# KiCad board enclosurefinal01.kicad_pcb (continued)
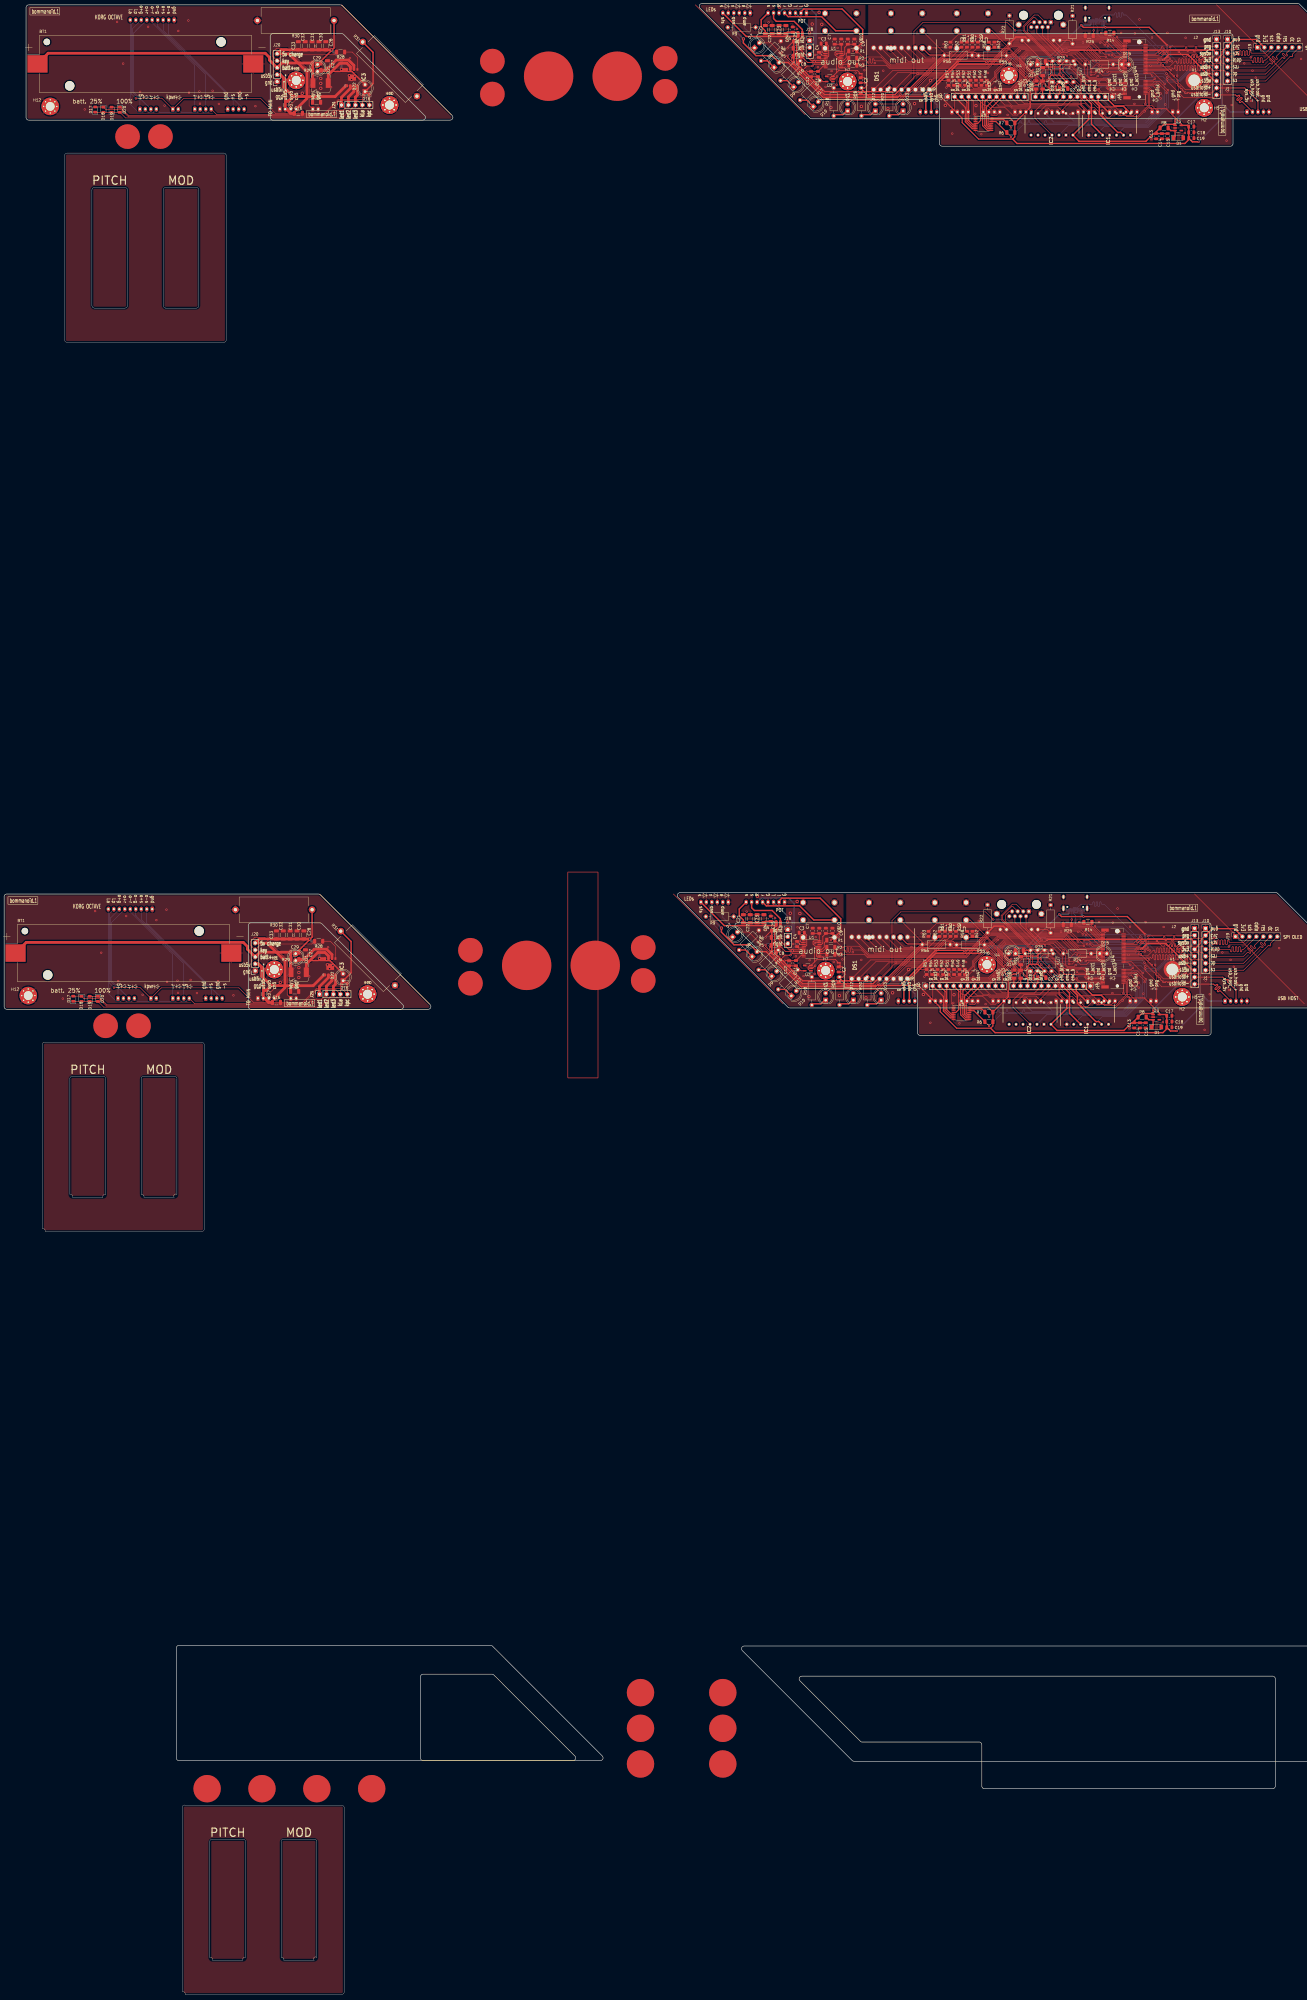
[diagram p0: board, top side]
## Routing (per net, layer and track width the routed paths; a pad name or vN(x,y) marks a point on that pad's centre or on a via; arc(x,y) is an arc through that point) (continued)
/bommanoid_main_top/oled_dc: length 124
  Top w0.2: 446,699.88 444.78,701.1 440.29,701.1 arc(440.08,701.19) 439.99,701.4 439.99,701.79 arc(439.9,702.01) 439.69,702.09 arc(439.48,702.01) 439.39,701.79 439.39,700.51 arc(439.3,700.29) 439.09,700.21 arc(438.88,700.29) 438.79,700.51 438.79,700.8 arc(438.7,701.01) 438.49,701.1 437.59,702 436.5,702 arc(436.29,701.91) 436.2,701.7 436.2,701.3 arc(436.11,701.09) 435.9,701 arc(435.69,701.09) 435.6,701.3 435.6,702.7 arc(435.51,702.91) 435.3,703 arc(435.09,702.91) 435,702.7 435,701.3 arc(434.91,701.09) 434.7,701 arc(434.49,701.09) 434.4,701.3 434.4,702.7 arc(434.31,702.91) 434.1,703 arc(433.89,702.91) 433.8,702.7 433.8,701.3 arc(433.71,701.09) 433.5,701 arc(433.29,701.09) 433.2,701.3 433.2,702.7 arc(433.11,702.91) 432.9,703 arc(432.69,702.91) 432.6,702.7 432.6,701.3 arc(432.51,701.09) 432.3,701 arc(432.09,701.09) 432,701.3 432,702.7 arc(431.91,702.91) 431.7,703 arc(431.49,702.91) 431.4,702.7 431.4,701.3 arc(431.31,701.09) 431.1,701 arc(430.89,701.09) 430.8,701.3 430.8,702.7 arc(430.71,702.91) 430.5,703 arc(430.29,702.91) 430.2,702.7 430.2,701.3 arc(430.11,701.09) 429.9,701 arc(429.69,701.09) 429.6,701.3 429.6,702.7 arc(429.51,702.91) 429.3,703 arc(429.09,702.91) 429,702.7 429,701.3 arc(428.91,701.09) 428.7,701 arc(428.49,701.09) 428.4,701.3 428.4,702.7 arc(428.31,702.91) 428.1,703 arc(427.89,702.91) 427.8,702.7 427.8,701.3 arc(427.71,701.09) 427.5,701 arc(427.29,701.09) 427.2,701.3 427.2,702.7 arc(427.11,702.91) 426.9,703 arc(426.69,702.91) 426.6,702.7 426.6,702 426.6,701.8 arc(426.54,701.66) 426.4,701.6 426.2,701.6 arc(426.06,701.66) 426,701.8 arc(425.94,701.94) 425.8,702 U4#2.40 ; 438,375.88 436.78,377.1 432.29,377.1 arc(432.08,377.19) 431.99,377.4 431.99,377.79 arc(431.9,378.01) 431.69,378.09 arc(431.48,378.01) 431.39,377.79 431.39,376.51 arc(431.3,376.29) 431.09,376.21 arc(430.88,376.29) 430.79,376.51 430.79,376.8 arc(430.7,377.01) 430.49,377.1 429.59,378 428.5,378 arc(428.29,377.91) 428.2,377.7 428.2,377.3 arc(428.11,377.09) 427.9,377 arc(427.69,377.09) 427.6,377.3 427.6,378.7 arc(427.51,378.91) 427.3,379 arc(427.09,378.91) 427,378.7 427,377.3 arc(426.91,377.09) 426.7,377 arc(426.49,377.09) 426.4,377.3 426.4,378.7 arc(426.31,378.91) 426.1,379 arc(425.89,378.91) 425.8,378.7 425.8,377.3 arc(425.71,377.09) 425.5,377 arc(425.29,377.09) 425.2,377.3 425.2,378.7 arc(425.11,378.91) 424.9,379 arc(424.69,378.91) 424.6,378.7 424.6,377.3 arc(424.51,377.09) 424.3,377 arc(424.09,377.09) 424,377.3 424,378.7 arc(423.91,378.91) 423.7,379 arc(423.49,378.91) 423.4,378.7 423.4,377.3 arc(423.31,377.09) 423.1,377 arc(422.89,377.09) 422.8,377.3 422.8,378.7 arc(422.71,378.91) 422.5,379 arc(422.29,378.91) 422.2,378.7 422.2,377.3 arc(422.11,377.09) 421.9,377 arc(421.69,377.09) 421.6,377.3 421.6,378.7 arc(421.51,378.91) 421.3,379 arc(421.09,378.91) 421,378.7 421,377.3 arc(420.91,377.09) 420.7,377 arc(420.49,377.09) 420.4,377.3 420.4,378.7 arc(420.31,378.91) 420.1,379 arc(419.89,378.91) 419.8,378.7 419.8,377.3 arc(419.71,377.09) 419.5,377 arc(419.29,377.09) 419.2,377.3 419.2,378.7 arc(419.11,378.91) 418.9,379 arc(418.69,378.91) 418.6,378.7 418.6,378 418.6,377.8 arc(418.54,377.66) 418.4,377.6 418.2,377.6 arc(418.06,377.66) 418,377.8 arc(417.94,377.94) 417.8,378 U4.40
/bommanoid_main_top/oled_rst: length 121
  Top w0.2: U4.42 414.56,378.5 414.56,378.5 416.9,378.5 418.9,380.5 419.2,380.5 arc(419.41,380.41) 419.5,380.2 419.5,379.9 arc(419.59,379.69) 419.8,379.6 arc(420.01,379.69) 420.1,379.9 420.1,381.1 arc(420.19,381.31) 420.4,381.4 arc(420.61,381.31) 420.7,381.1 420.7,379.9 arc(420.79,379.69) 421,379.6 arc(421.21,379.69) 421.3,379.9 421.3,381.1 arc(421.39,381.31) 421.6,381.4 arc(421.81,381.31) 421.9,381.1 421.9,379.9 arc(421.99,379.69) 422.2,379.6 arc(422.41,379.69) 422.5,379.9 422.5,381.1 arc(422.59,381.31) 422.8,381.4 arc(423.01,381.31) 423.1,381.1 423.1,379.9 arc(423.19,379.69) 423.4,379.6 arc(423.61,379.69) 423.7,379.9 423.7,381.1 arc(423.79,381.31) 424,381.4 arc(424.21,381.31) 424.3,381.1 424.3,379.9 arc(424.39,379.69) 424.6,379.6 arc(424.81,379.69) 424.9,379.9 424.9,381.1 arc(424.99,381.31) 425.2,381.4 arc(425.41,381.31) 425.5,381.1 425.5,379.9 arc(425.59,379.69) 425.8,379.6 arc(426.01,379.69) 426.1,379.9 426.1,381.1 arc(426.19,381.31) 426.4,381.4 arc(426.61,381.31) 426.7,381.1 426.7,379.9 arc(426.79,379.69) 427,379.6 arc(427.21,379.69) 427.3,379.9 427.3,381.1 arc(427.39,381.31) 427.6,381.4 arc(427.81,381.31) 427.9,381.1 427.9,379.9 arc(427.99,379.69) 428.2,379.6 arc(428.41,379.69) 428.5,379.9 428.5,381.1 arc(428.59,381.31) 428.8,381.4 arc(429.01,381.31) 429.1,381.1 429.1,379.9 arc(429.19,379.69) 429.4,379.6 arc(429.61,379.69) 429.7,379.9 429.7,381.1 arc(429.79,381.31) 430,381.4 arc(430.21,381.31) 430.3,381.1 430.3,380.8 arc(430.39,380.59) 430.6,380.5 431.8,380.5 432.57,379.73 434.97,379.73 arc(435.18,379.82) 435.27,380.03 435.27,380.43 arc(435.36,380.64) 435.57,380.73 arc(435.78,380.64) 435.87,380.43 435.87,380.03 arc(435.96,379.82) 436.17,379.73 436.69,379.73 438,378.42 ; U4#2.42 422.56,702.5 422.56,702.5 424.9,702.5 426.9,704.5 427.2,704.5 arc(427.41,704.41) 427.5,704.2 427.5,703.9 arc(427.59,703.69) 427.8,703.6 arc(428.01,703.69) 428.1,703.9 428.1,705.1 arc(428.19,705.31) 428.4,705.4 arc(428.61,705.31) 428.7,705.1 428.7,703.9 arc(428.79,703.69) 429,703.6 arc(429.21,703.69) 429.3,703.9 429.3,705.1 arc(429.39,705.31) 429.6,705.4 arc(429.81,705.31) 429.9,705.1 429.9,703.9 arc(429.99,703.69) 430.2,703.6 arc(430.41,703.69) 430.5,703.9 430.5,705.1 arc(430.59,705.31) 430.8,705.4 arc(431.01,705.31) 431.1,705.1 431.1,703.9 arc(431.19,703.69) 431.4,703.6 arc(431.61,703.69) 431.7,703.9 431.7,705.1 arc(431.79,705.31) 432,705.4 arc(432.21,705.31) 432.3,705.1 432.3,703.9 arc(432.39,703.69) 432.6,703.6 arc(432.81,703.69) 432.9,703.9 432.9,705.1 arc(432.99,705.31) 433.2,705.4 arc(433.41,705.31) 433.5,705.1 433.5,703.9 arc(433.59,703.69) 433.8,703.6 arc(434.01,703.69) 434.1,703.9 434.1,705.1 arc(434.19,705.31) 434.4,705.4 arc(434.61,705.31) 434.7,705.1 434.7,703.9 arc(434.79,703.69) 435,703.6 arc(435.21,703.69) 435.3,703.9 435.3,705.1 arc(435.39,705.31) 435.6,705.4 arc(435.81,705.31) 435.9,705.1 435.9,703.9 arc(435.99,703.69) 436.2,703.6 arc(436.41,703.69) 436.5,703.9 436.5,705.1 arc(436.59,705.31) 436.8,705.4 arc(437.01,705.31) 437.1,705.1 437.1,703.9 arc(437.19,703.69) 437.4,703.6 arc(437.61,703.69) 437.7,703.9 437.7,705.1 arc(437.79,705.31) 438,705.4 arc(438.21,705.31) 438.3,705.1 438.3,704.8 arc(438.39,704.59) 438.6,704.5 439.8,704.5 440.57,703.73 442.97,703.73 arc(443.18,703.82) 443.27,704.03 443.27,704.43 arc(443.36,704.64) 443.57,704.73 arc(443.78,704.64) 443.87,704.43 443.87,704.03 arc(443.96,703.82) 444.17,703.73 444.69,703.73 446,702.42
/bommanoid_main_top/oled_sck: length 117.8
  Top w0.2: v1(416.04,383.9) 416.94,384.8 422.3,384.8 arc(422.51,384.89) 422.6,385.1 422.6,385.36 arc(422.69,385.57) 422.9,385.66 arc(423.11,385.57) 423.2,385.36 423.2,384.24 arc(423.29,384.03) 423.5,383.94 arc(423.71,384.03) 423.8,384.24 423.8,384.5 arc(423.89,384.71) 424.1,384.8 425.3,384.8 arc(425.51,384.71) 425.6,384.5 425.6,384.16 arc(425.69,383.94) 425.9,383.86 arc(426.11,383.94) 426.2,384.16 426.2,385.44 arc(426.29,385.66) 426.5,385.74 arc(426.71,385.66) 426.8,385.44 426.8,385.1 arc(426.89,384.89) 427.1,384.8 436.7,384.8 438,383.5 ; 446,707.5 444.7,708.8 435.1,708.8 arc(434.89,708.89) 434.8,709.1 434.8,709.44 arc(434.71,709.66) 434.5,709.74 arc(434.29,709.66) 434.2,709.44 434.2,708.16 arc(434.11,707.94) 433.9,707.86 arc(433.69,707.94) 433.6,708.16 433.6,708.5 arc(433.51,708.71) 433.3,708.8 432.1,708.8 arc(431.89,708.71) 431.8,708.5 431.8,708.24 arc(431.71,708.03) 431.5,707.94 arc(431.29,708.03) 431.2,708.24 431.2,709.36 arc(431.11,709.57) 430.9,709.66 arc(430.69,709.57) 430.6,709.36 430.6,709.1 arc(430.51,708.89) 430.3,708.8 424.94,708.8 v1(424.04,707.9) ; U4#2.57 405.29,706.25 403.44,708.1 v1(401.66,708.1) ; U4.57 397.29,382.25 395.44,384.1 v1(393.66,384.1)
  Bottom w0.2: v1(401.66,708.1) 401.96,707.8 422.59,707.8 422.85,708.06 423.87,708.06 v1(424.04,707.9) ; v1(416.04,383.9) 415.87,384.06 414.85,384.06 414.59,383.8 393.96,383.8 v1(393.66,384.1)
/bommanoid_main_top/prg: length 119.1
  Top w0.2: v1(399.06,696.7) 399.55,696.2 402.26,696.2 403.71,694.75 U4#2.11 ; v1(391.06,372.7) 391.55,372.2 394.26,372.2 395.71,370.75 U4.11
  Bottom w0.2: v1(399.06,696.7) 400.78,698.43 418.81,698.43 419.21,698.84 422.48,698.84 423.45,697.87 428.26,697.87 440.35,709.96 J2#2.2 ; J2.2 432.35,385.96 420.26,373.87 415.45,373.87 414.48,374.84 411.21,374.84 410.81,374.43 392.78,374.43 v1(391.06,372.7)
/bommanoid_main_top/sys_5v: length 270.1
  Top w0.2: 392.63,697.83 v1(388.26,702.2) ; 384.63,373.83 v1(380.26,378.2)
  Top w0.3: IC1#2.14 384.58,364.27 384.58,373.78 384.63,373.83 386.7,371.75 394.07,371.75 395.57,370.25 U4.9 ; U4#2.9 403.57,694.25 402.07,695.75 394.7,695.75 392.63,697.83 392.58,697.78 392.58,688.27 IC1.14
  Top w0.4: 379.7,704.52 U7#2.8 ; 371.7,380.52 U7.8
  Top w0.5: C15#2.1 C13.1 ; C13.1 411.05,354.1 408.25,351.3 383.85,351.3 IC2.14 387.38,359.29 IC1#2.14 ; C13.1 411.98,354.71 R8.2 414.74,357.48 418.5,357.48 U3.1 418.88,358.88 v1(418.86,358.9) ; C15.1 C13#2.1 ; C13#2.1 419.05,678.1 416.25,675.3 391.85,675.3 IC2#2.14 395.38,683.29 IC1.14 ; C13#2.1 419.98,678.71 R8#2.2 422.74,681.48 426.5,681.48 U3#2.1 426.88,682.88 v1(426.86,682.9)
  Bottom w0.2: v1(388.26,702.2) 384.52,702.2 U7#2.8 ; v1(380.26,378.2) 376.52,378.2 U7.8
  Bottom w0.5: v1(426.86,682.9) 438.46,694.5 438.46,703.88 J2#2.3 ; J2.3 430.46,379.88 430.46,370.5 v1(418.86,358.9)
/bommanoid_main_top/T00 MIDI IN: length 66.9
  Top w0.2: 379.68,380.52 386.4,373.8 393.77,373.8 394.57,373 394.59,373 394.84,372.75 U4.19 ; 387.68,704.52 394.4,697.8 401.77,697.8 402.57,697 402.59,697 402.84,696.75 U4#2.19
  Top w0.4: U7#2.6 386.68,704.52 384.52,702.36 378.8,702.36 ; U7.6 378.68,380.52 376.52,378.36 370.8,378.36
/bommanoid_main_top/T01=MIDI OUT: length 76.5
  Top w0.2: R13.2 368.1,374.45 370.95,377.3 377.26,377.3 378.86,378.9 380.66,378.9 386.16,373.4 393.6,373.4 394.4,372.6 394.42,372.6 394.77,372.25 U4.17 ; R13#2.2 376.1,698.45 378.95,701.3 385.26,701.3 386.86,702.9 388.66,702.9 394.16,697.4 401.6,697.4 402.4,696.6 402.42,696.6 402.77,696.25 U4#2.17
/bommanoid_main_top/usb_data_+: length 118.8
  Top w0.2: U4#2.3 399.61,692.75 v1(397.66,694.7) ; 441.54,702.8 v1(437.12,702.8) ; v1(389.66,370.7) 391.61,368.75 U4.3 ; 433.54,378.8 v1(429.12,378.8)
  Bottom w0.2: v1(437.12,702.8) 433.75,702.8 428.26,697.3 419.66,697.3 417.86,695.5 404.11,695.5 arc(403.97,695.56) 403.91,695.71 arc(403.84,695.85) 403.7,695.91 403.51,695.91 arc(403.37,695.85) 403.31,695.71 arc(403.24,695.56) 403.1,695.5 398.46,695.5 v1(397.66,694.7) ; v1(389.66,370.7) 390.46,371.5 395.1,371.5 arc(395.24,371.56) 395.31,371.71 arc(395.37,371.85) 395.51,371.91 395.7,371.91 arc(395.84,371.85) 395.91,371.71 arc(395.97,371.56) 396.11,371.5 409.86,371.5 411.66,373.3 420.26,373.3 425.75,378.8 v1(429.12,378.8)
/bommanoid_main_top/usb_data_-: length 119.8
  Top w0.2: J2#2.6 438.5,699.8 v1(437.1,701.2) ; J2.6 430.5,375.8 v1(429.1,377.2) ; U4#2.5 400.11,693.25 v1(399.06,694.3) ; U4.5 392.11,369.25 v1(391.06,370.3)
  Bottom w0.2: v1(429.1,377.2) 424.73,377.2 420.43,372.9 412.22,372.9 410.42,371.1 399.9,371.1 arc(399.69,371.01) 399.6,370.8 399.6,370.55 arc(399.51,370.33) 399.3,370.25 arc(399.09,370.33) 399,370.55 399,370.8 arc(398.91,371.01) 398.7,371.1 arc(398.49,371.01) 398.4,370.8 398.4,370.55 arc(398.31,370.33) 398.1,370.25 arc(397.89,370.33) 397.8,370.55 397.8,370.8 arc(397.71,371.01) 397.5,371.1 arc(397.29,371.01) 397.2,370.8 397.2,370.55 arc(397.11,370.33) 396.9,370.25 arc(396.69,370.33) 396.6,370.55 396.6,370.8 arc(396.51,371.01) 396.3,371.1 391.86,371.1 v1(391.06,370.3) ; v1(437.1,701.2) 432.73,701.2 428.43,696.9 420.22,696.9 418.42,695.1 407.9,695.1 arc(407.69,695.01) 407.6,694.8 407.6,694.55 arc(407.51,694.33) 407.3,694.25 arc(407.09,694.33) 407,694.55 407,694.8 arc(406.91,695.01) 406.7,695.1 arc(406.49,695.01) 406.4,694.8 406.4,694.55 arc(406.31,694.33) 406.1,694.25 arc(405.89,694.33) 405.8,694.55 405.8,694.8 arc(405.71,695.01) 405.5,695.1 arc(405.29,695.01) 405.2,694.8 405.2,694.55 arc(405.11,694.33) 404.9,694.25 arc(404.69,694.33) 404.6,694.55 404.6,694.8 arc(404.51,695.01) 404.3,695.1 399.86,695.1 v1(399.06,694.3)
/bommanoid_main_top/usb_host_+: length 109.8
  Top w0.2: v1(394.26,376.6) 394.41,376.75 U4.35 ; J2.8 432.18,368.9 428.3,368.9 arc(428.23,368.87) 428.2,368.8 arc(428.17,368.73) 428.1,368.7 427.7,368.7 arc(427.63,368.73) 427.6,368.8 427.6,369 arc(427.57,369.07) 427.5,369.1 427.1,369.1 arc(427.03,369.07) 427,369 427,368.8 arc(426.97,368.73) 426.9,368.7 426.5,368.7 arc(426.43,368.73) 426.4,368.8 426.4,369 arc(426.37,369.07) 426.3,369.1 425.9,369.1 arc(425.83,369.07) 425.8,369 425.8,368.8 arc(425.77,368.73) 425.7,368.7 425.3,368.7 arc(425.23,368.73) 425.2,368.8 425.2,369 arc(425.17,369.07) 425.1,369.1 424.7,369.1 arc(424.63,369.07) 424.6,369 424.6,368.8 arc(424.57,368.73) 424.5,368.7 424.1,368.7 arc(424.03,368.73) 424,368.8 424,369 arc(423.97,369.07) 423.9,369.1 423.5,369.1 arc(423.43,369.07) 423.4,369 423.4,368.8 arc(423.37,368.73) 423.3,368.7 422.9,368.7 arc(422.83,368.73) 422.8,368.8 arc(422.77,368.87) 422.7,368.9 421.99,369.61 arc(421.92,369.64) 421.84,369.61 arc(421.77,369.58) 421.7,369.61 421.42,369.9 arc(421.39,369.97) 421.42,370.04 421.56,370.18 arc(421.59,370.25) 421.56,370.32 421.28,370.6 arc(421.21,370.63) 421.14,370.6 421,370.46 arc(420.93,370.43) 420.85,370.46 420.57,370.74 arc(420.54,370.81) 420.57,370.89 420.71,371.03 arc(420.74,371.1) 420.71,371.17 420.43,371.45 arc(420.36,371.48) 420.29,371.45 420.15,371.31 arc(420.08,371.28) 420.01,371.31 419.72,371.59 arc(419.69,371.66) 419.72,371.73 419.86,371.87 arc(419.89,371.95) 419.86,372.02 419.58,372.3 arc(419.51,372.33) 419.44,372.3 arc(419.37,372.27) 419.3,372.3 415.73,375.87 v1(415.73,375.97) ; v1(402.26,700.6) 402.41,700.75 U4#2.35 ; v1(423.73,699.97) 423.73,699.87 427.3,696.3 arc(427.37,696.27) 427.44,696.3 arc(427.51,696.33) 427.58,696.3 427.86,696.02 arc(427.89,695.95) 427.86,695.87 427.72,695.73 arc(427.69,695.66) 427.72,695.59 428.01,695.31 arc(428.08,695.28) 428.15,695.31 428.29,695.45 arc(428.36,695.48) 428.43,695.45 428.71,695.17 arc(428.74,695.1) 428.71,695.03 428.57,694.89 arc(428.54,694.81) 428.57,694.74 428.85,694.46 arc(428.93,694.43) 429,694.46 429.14,694.6 arc(429.21,694.63) 429.28,694.6 429.56,694.32 arc(429.59,694.25) 429.56,694.18 429.42,694.04 arc(429.39,693.97) 429.42,693.9 429.7,693.61 arc(429.77,693.58) 429.84,693.61 arc(429.92,693.64) 429.99,693.61 430.7,692.9 arc(430.77,692.87) 430.8,692.8 arc(430.83,692.73) 430.9,692.7 431.3,692.7 arc(431.37,692.73) 431.4,692.8 431.4,693 arc(431.43,693.07) 431.5,693.1 431.9,693.1 arc(431.97,693.07) 432,693 432,692.8 arc(432.03,692.73) 432.1,692.7 432.5,692.7 arc(432.57,692.73) 432.6,692.8 432.6,693 arc(432.63,693.07) 432.7,693.1 433.1,693.1 arc(433.17,693.07) 433.2,693 433.2,692.8 arc(433.23,692.73) 433.3,692.7 433.7,692.7 arc(433.77,692.73) 433.8,692.8 433.8,693 arc(433.83,693.07) 433.9,693.1 434.3,693.1 arc(434.37,693.07) 434.4,693 434.4,692.8 arc(434.43,692.73) 434.5,692.7 434.9,692.7 arc(434.97,692.73) 435,692.8 435,693 arc(435.03,693.07) 435.1,693.1 435.5,693.1 arc(435.57,693.07) 435.6,693 435.6,692.8 arc(435.63,692.73) 435.7,692.7 436.1,692.7 arc(436.17,692.73) 436.2,692.8 arc(436.23,692.87) 436.3,692.9 440.18,692.9 J2#2.8
  Bottom w0.2: v1(415.73,375.97) 414.8,376.9 394.56,376.9 v1(394.26,376.6) ; v1(402.26,700.6) 402.56,700.9 422.8,700.9 v1(423.73,699.97)
/bommanoid_main_top/usb_host_-: length 109.2
  Top w0.2: v1(416.04,374.57) 416.04,373.16 422,367.2 433.02,367.2 J2.9 ; v1(424.04,698.57) 424.04,697.16 430,691.2 441.02,691.2 J2#2.9 ; v1(400.66,700.5) 401.45,701.3 408.51,701.3 ; 400.51,377.3 393.45,377.3 v1(392.66,376.5)
  Bottom w0.2: v1(400.66,700.5) 401.26,699.9 422.71,699.9 v1(424.04,698.57) ; v1(416.04,374.57) 414.71,375.9 393.26,375.9 v1(392.66,376.5)
/bommanoid_main_top/ws2812_data_1: length 47.7
  Top w0.2: J3#2.8 383.56,688.9 378.4,688.9 375.8,686.3 375.8,683.73 IC2#2.11 ; J3.8 375.56,364.9 370.4,364.9 367.8,362.3 367.8,359.73 IC2.11
/bommanoid_main_top/ws2812_data_3v3: length 120.3
  Top w0.2: U4#2.34 418.78,700.5 v1(423.08,696.2) ; U4.34 410.78,376.5 v1(415.08,372.2)
  Bottom w0.2: v1(423.08,696.2) 423.08,687.46 416.72,681.1 388.11,681.1 IC2#2.12 ; IC2.12 380.11,357.1 408.72,357.1 415.08,363.46 v1(415.08,372.2)
Net-(C3-Pad1): length 8.6
  Top w0.3: 290.15,386.58 290.15,383.91 290.79,383.28 U1#2.2 ; 298.15,710.58 298.15,707.91 298.79,707.28 U1.2
Net-(C3-Pad2): length 12.3
  Top w0.3: U1.4 300.24,705.98 300.6,706.34 300.6,710.03 C3.2 ; U1#2.4 292.24,381.98 292.6,382.34 292.6,386.03 C3#2.2
Net-(C4-Pad1): length 5.3
  Top w0.3: U1.5 297.6,705.33 C4.1 ; C4#2.1 289.6,381.33 U1#2.5
Net-(C4-Pad2): length 5.8
  Top w0.3: C4#2.2 290.2,382.63 U1#2.3 ; U1.3 298.2,706.63 C4.2
Net-(C6-Pad1): length 15.6
  Top w0.3: U1#2.18 297.96,382.63 298.46,383.12 298.46,385.53 C6#2.1 C9.1 ; C9#2.1 C6.1 306.46,709.53 306.46,707.12 305.96,706.63 U1.18
Net-(C16-Pad1): length 7.1
  Top w1: R27#2.2 96.41,361.5 C16#2.1 ; R27.2 104.41,685.5 C16.1
Net-(C27-Pad1): length 31.8
  Top w1: R29.2 117.35,701.2 C27.1 121.05,704.9 125.56,704.9 127.51,702.95 IC3#2.6 ; IC3.6 119.51,378.95 117.56,380.9 113.05,380.9 C27#2.1 109.35,377.2 R29#2.2
Net-(D1-Pad1): length 11.6
  Top w0.5: R8.1 417.29,355.2 U3.3 418.88,353.06 D1#2.1 ; D1.1 426.88,677.06 U3#2.3 425.29,679.2 R8#2.1
Net-(D2-Pad1): length 12.7
  Top w0.4: D2.1 383.35,695.51 U7#2.2 ; D2#2.1 375.35,371.51 U7.2 ; 377.14,372.9 379.54,370.5 ; 385.14,696.9 387.54,694.5
Net-(D7-Pad1): length 25.7
  Bottom w0.2: D7#2.1 263.25,385.35 R9.1 ; R9#2.1 271.25,709.35 D7.1
Net-(D8-Pad1): length 11.5
  Top w0.5: D8.1 270.3,380.61 R15.1 ; R15#2.1 278.3,704.61 D8#2.1
Net-(D9-Pad1): length 11.5
  Top w0.5: R16#2.1 277.51,373.4 D9#2.1 ; R16.1 285.51,697.4 D9.1
Net-(D10-Pad1): length 11.5
  Top w0.5: R17#2.1 292.65,690.25 D10.1 ; R17.1 284.65,366.25 D10#2.1
Net-(D11-Pad1): length 11.5
  Top w0.5: 307.5,686.74 305.76,685 302.45,685 ; 294.45,361 297.76,361 299.5,362.74
Net-(D12-Pad1): length 11.5
  Top w0.5: 309.61,362.74 307.87,361 304.55,361 ; 312.55,685 315.87,685 317.61,686.74
Net-(D13-Pad1): length 11.5
  Top w0.5: 322.66,685 325.98,685 327.72,686.74 ; 314.66,361 317.98,361 319.72,362.74
Net-(D14-Pad1): length 7
  Top w0.2: D14#2.1 R23#2.1 ; D14.1 R23.1
Net-(D15-Pad1): length 6.3
  Top w0.2: R24.1 D15.1 ; R24#2.1 D15#2.1
Net-(D21-Pad1): length 37
  Top w0.5: R30#2.1 112.27,385.29 D21#2.1 ; R30.1 120.27,709.29 D21.1
Net-(D22-Pad1): length 41.7
  Top w0.5: R31#2.1 126.5,383.7 126.5,372.32 D22.1 ; R31.1 134.5,707.7 134.5,696.32 D22#2.1
Net-(DS1-Pad1): length 91.2
  Top w0.2: R48.2 346.81,377 315.9,377 DS1.1 ; R48#2.2 354.81,701 323.9,701 DS1#2.1
Net-(DS1-Pad2): length 81
  Top w0.2: R49#2.2 353.49,700.32 325.76,700.32 DS1#2.2 ; R49.2 345.49,376.32 317.76,376.32 DS1.2
Net-(DS1-Pad4): length 66.2
  Top w0.2: R50#2.2 343.89,375.92 322.44,375.92 DS1.4 ; R50.2 351.89,699.92 330.44,699.92 DS1#2.4
Net-(DS1-Pad5): length 56.4
  Top w0.2: R51#2.2 342.29,375.52 324.58,375.52 DS1.5 ; DS1#2.5 332.58,699.52 350.29,699.52 R51.2
Net-(DS1-Pad6): length 46.7
  Top w0.2: DS1.6 326.72,375.12 340.69,375.12 R52#2.2 ; R52.2 348.69,699.12 334.72,699.12 DS1#2.6
Net-(DS1-Pad7): length 37
  Top w0.2: DS1.7 328.86,374.72 339.09,374.72 R53.2 ; R53#2.2 347.09,698.72 336.86,698.72 DS1#2.7
Net-(DS1-Pad8): length 27.2
  Top w0.2: DS1.8 331.01,374.33 337.49,374.33 R54.2 ; R54#2.2 345.49,698.33 339.01,698.33 DS1#2.8
Net-(DS1-Pad9): length 16.8
  Top w0.2: DS1.9 332.73,373.51 R57#2.2 ; R57.2 340.73,697.51 DS1#2.9
Net-(DS1-Pad10): length 14.9
  Top w0.2: 336.75,385.34 DS1.10 ; 344.75,709.34 DS1#2.10
Net-(DS1-Pad11): length 18.1
  Top w0.2: R56.1 329.52,382.6 DS1.11 ; DS1#2.11 337.52,706.6 R56#2.1
Net-(DS1-Pad12): length 40.1
  Top w0.2: DS1.12 327.98,381.6 334.2,381.6 334.29,381.5 336.91,381.5 R62#2.1 ; DS1#2.12 335.98,705.6 342.2,705.6 342.29,705.5 344.91,705.5 R62.1
Net-(DS1-Pad13): length 49.8
  Top w0.2: R61#2.1 346.71,705.3 346.57,705.3 346.37,705.1 333.94,705.1 DS1#2.13 ; DS1.13 325.94,381.1 338.37,381.1 338.57,381.3 338.71,381.3 R61.1
Net-(DS1-Pad14): length 59.6
  Top w0.2: R60#2.1 343.91,384.5 342.93,384.5 339.14,380.7 323.8,380.7 DS1.14 ; DS1#2.14 331.8,704.7 347.14,704.7 350.93,708.5 351.91,708.5 R60.1
Net-(DS1-Pad15): length 69.3
  Top w0.2: R59.1 353.51,708.1 351.1,708.1 347.3,704.3 329.66,704.3 DS1#2.15 ; DS1.15 321.66,380.3 339.3,380.3 343.1,384.1 345.51,384.1 R59#2.1
Net-(DS1-Pad16): length 74.9
  Top w0.2: DS1#2.16 327.52,703.9 347.76,703.9 351.56,707.7 354.02,707.7 R55.1 ; R55#2.1 346.02,383.7 343.56,383.7 339.76,379.9 319.52,379.9 DS1.16
Net-(DS1-Pad17): length 97.8
  Top w0.2: v1(358.12,704.28) 357.35,703.5 325.38,703.5 DS1#2.17 ; v1(350.12,380.28) 349.35,379.5 317.38,379.5 DS1.17 ; v1(357.3,709.5) 358.91,709.5 ; v1(349.3,385.5) 350.91,385.5
  Bottom w0.2: v1(357.3,709.5) 358.6,708.2 358.6,704.75 v1(358.12,704.28) ; v1(349.3,385.5) 350.6,384.2 350.6,380.75 v1(350.12,380.28)
Net-(DS1-Pad18): length 109.1
  Top w0.2: DS1.18 315.24,379.1 349.94,379.1 v1(351.44,380.61) ; 353.06,385.64 v1(354.76,385.64) ; 361.06,709.64 v1(362.76,709.64) ; v1(359.44,704.61) 357.94,703.1 323.24,703.1 DS1#2.18
  Bottom w0.2: v1(351.44,380.61) 351.75,380.3 352.07,380.3 354.76,382.99 v1(354.76,385.64) ; v1(362.76,709.64) 362.76,706.99 360.07,704.3 359.75,704.3 v1(359.44,704.61)
Net-(IC3-Pad5): length 19.7
  Top w0.2: R28.1 126.88,707.8 128.78,705.9 IC3#2.5 ; R28#2.1 118.88,383.8 120.78,381.9 IC3.5
Net-(IC3-Pad7): length 28.6
  Top w1: IC3#2.7 126.24,702.43 124.97,703.7 122.38,703.7 118.18,699.5 L1#2.1 ; L1.1 110.18,375.5 114.38,379.7 116.97,379.7 118.24,378.43 IC3.7
Net-(J6-PadA5): length 10.6
  Top w0.2: v1(389.2,391.7) 389.2,389.94 ; v1(397.2,715.7) 397.2,713.94
  Bottom w0.2: v1(389.2,391.7) 389.25,391.75 J6.A5 ; v1(397.2,715.7) 397.25,715.75 J6#2.A5
Net-(J6-PadB5): length 12.4
  Top w0.2: v1(391.9,390.8) 393.54,390.8 ; v1(399.9,714.8) 401.54,714.8
  Bottom w0.2: v1(391.9,390.8) 392.25,391.15 J6.B5 ; v1(399.9,714.8) 400.25,715.15 J6#2.B5
Net-(J17-Pad9): length 10.3
  Top w0.2: J17#2.9 380.27,388.08 R21.2 ; J17.9 388.27,712.08 R21#2.2
Net-(J17-Pad11): length 16.8
  Top w0.5: J17.11 372.23,713.28 368.86,713.28 R22.2 ; J17#2.11 364.23,389.28 360.86,389.28 R22#2.2
Net-(R1-Pad2): length 10.1
  Top w0.3: U1.15 305.96,704.68 307,705.71 307,707.29 R1.2 ; U1#2.15 297.96,380.68 299,381.71 299,383.29 R1#2.2
Net-(R2-Pad2): length 6.7
  Top w0.3: U1.14 306.34,704.03 R2.2 ; R2#2.2 298.34,380.03 U1#2.14
Net-(R3-Pad2): length 4.6
  Top w0.3: U1#2.13 299.54,379.38 ; U1.13 307.54,703.38
Net-(R4-Pad1): length 22.6
  Top w0.3: U1.6 294.25,704.68 290.59,708.34 R4#2.1 ; U1#2.6 286.25,380.68 282.59,384.34 R4.1
Net-(R5-Pad1): length 19.7
  Top w0.3: R5.1 284.86,380.03 U1#2.7 ; R5#2.1 292.86,704.03 U1.7

## Copper pours and planes (outline as drawn; the poured copper is in the pictures)
/bommanoid_batt_bottom/gnd on Top, Bottom: 157,359 0,359 0,401 115,401
/bommanoid_batt_bottom/gnd on Top, Bottom: 165,683 8,683 8,725 123,725
/bommanoid_batt_top/gnd on Top, Bottom: 155,683 97,683 97,715 123,715
/bommanoid_batt_top/gnd on Top, Bottom: 147,359 89,359 89,391 115,391
/bommanoid_main_bottom/agnd on Top, Bottom: 314,725.5 314,697.5 301,697.5 293,705.5 293,720.5 282,720.5 282,725.5
/bommanoid_main_bottom/agnd on Top, Bottom: 306,401.5 306,373.5 293,373.5 285,381.5 285,396.5 274,396.5 274,401.5
/bommanoid_main_bottom/gnd on Top, Bottom: 506,359 286,359 244,401 273,401 273,395 284,395 284,380 292,372 294.5,372 298,368.5 301,368.5 304.5,372 307,372 307,401 464,401
/bommanoid_main_bottom/gnd on Top, Bottom: 514,683 294,683 252,725 281,725 281,719 292,719 292,704 300,696 302.5,696 306,692.5 309,692.5 312.5,696 315,696 315,725 472,725
/bommanoid_main_top/agnd on Top, Bottom: 293,390.5 293,378.7 290.56,378.7 290.56,375.8 292.66,375.8 292.66,370.7 297.86,370.7 301.26,372.5 302.86,372.5 302.86,366.5 289,366.5 265,390.5
/bommanoid_main_top/agnd on Top, Bottom: 301,714.5 301,702.7 298.56,702.7 298.56,699.8 300.66,699.8 300.66,694.7 305.86,694.7 309.26,696.5 310.86,696.5 310.86,690.5 297,690.5 273,714.5
/bommanoid_main_top/gnd on Top, Bottom: 448,673.5 341,673.5 341,690.5 311.46,690.5 311.46,697.3 310.86,697.3 306.66,699.5 304.86,695.3 301.46,695.3 301.46,700.5 299.26,700.5 299.26,701.9 301.52,701.9 301.52,714.5 448,714.5
/bommanoid_main_top/gnd on Top, Bottom: 440,349.5 333,349.5 333,366.5 303.46,366.5 303.46,373.3 302.86,373.3 298.66,375.5 296.86,371.3 293.46,371.3 293.46,376.5 291.26,376.5 291.26,377.9 293.52,377.9 293.52,390.5 440,390.5
(no net) on Top, Bottom: 81,602 22,602 22,671 81,671
(no net) on Top, Bottom: 124,0 65,0 65,69 124,69
(no net) on Top, Bottom: 73,278 14,278 14,347 73,347

## Text on the board
B.Silkscreen: gnd / o-s / o+s / o-g / o-r / o+r / o+g / Lp / La | POT | TO PWR | USB HOST | SPI OLED | TO MAIN | key / gnd | s / u / a | s / s / R / r / G / L / l / G | g / usb5 / sys5 / ch5 | g / btn1 / g / btn2 | g / btn3 / g / btn4 | g / btn5 / g / btn6 | g / btn7 / g / btn8 | g / enc_btn / enc_a / enc_b | gnd / l_act1 / gnd / l_act2 / gnd / l_act3 | gnd / l_blink | gnd / prg | LEDs | gnd / gnd / usb_host_+ / usb_host_- / sys_5v | cs / dc / res / data / sck / 3v3 / gnd | bommanoid.1 | KORG OCTAVE | 5v charge / key / batt+ | agnd / left / right | gnd / prg / sys5v / 3v3 / usb+ / usb- / usb5v / usbHost+ / usbHost- | gnd / prg / sys5v / 3v3 / usb+ / usb- / {dblquote}5v / {dblquote}H+ / {dblquote}H- | usb5v / gnd | +g | +r | -r | -g | gnd / +s / gnd / -s | led1 / led2 / led3 / kLa / kpc | kpwr | audio out | midi out | midi in
User.Comments: RJ45 | joy (x=pitch, y=mod) | x1 x2 | bommanoid pwr | korg on off | Vol+pwr | oct- oct+ | sustain pedal | x3  x4 | Vol Pot | enc | led12345, panel mount 5mm | end cap
Top: OUTSIDE | INSIDE | bolt head / + washer | washer | nut | 1. pilot holes for alignment. | ⌀2 | 2. forstner before through holes | TOP-DOWN VIEW, cabinet latch assembly | ⌀20 | ⌀15 | ⌀8.5 | ⌀6.5 | 3. through holes | 4. assembly
F.Silkscreen: LEDs | POT | TO PWR | USB HOST | SPI OLED | TO MAIN | g / usb5 / sys5 / ch5 | key / gnd | s / u / a | s / s / R / r / G / L / l / G | g / btn1 / g / btn2 | g / btn3 / g / btn4 | g / btn5 / g / btn6 | g / btn7 / g / btn8 | g / enc_btn / enc_a / enc_b | gnd / l_act1 / gnd / l_act2 / gnd / l_act3 | gnd / l_blink | gnd / prg | sys / usb / amp | gnd / o-s / o+s / o-g / o-r / o+r / o+g / Lp / La | gnd / gnd / usb_host_+ / usb_host_- / sys_5v | cs / dc / res / data / sck / 3v3 / gnd | bommanoid.1 | KORG OCTAVE | kpwr | 5v charge / key / batt+ | usb5v / gnd | agnd / left / right | gnd / prg / sys5v / 3v3 / usb+ / usb- / usb5v / usbHost+ / usbHost- | gnd / prg / sys5v / 3v3 / usb+ / usb- / {dblquote}5v / {dblquote}H+ / {dblquote}H- | +g | +r | -r | -g | gnd / +s / gnd / -s | led1 / led2 / led3 / kLa / kpc | batt. 25% | 100% | audio out | midi out | midi in | PITCH | MOD
